# Altium PCB JTAG批量下载板-V1.6-ASCII.PcbDoc (part 6 of 14) (continued)
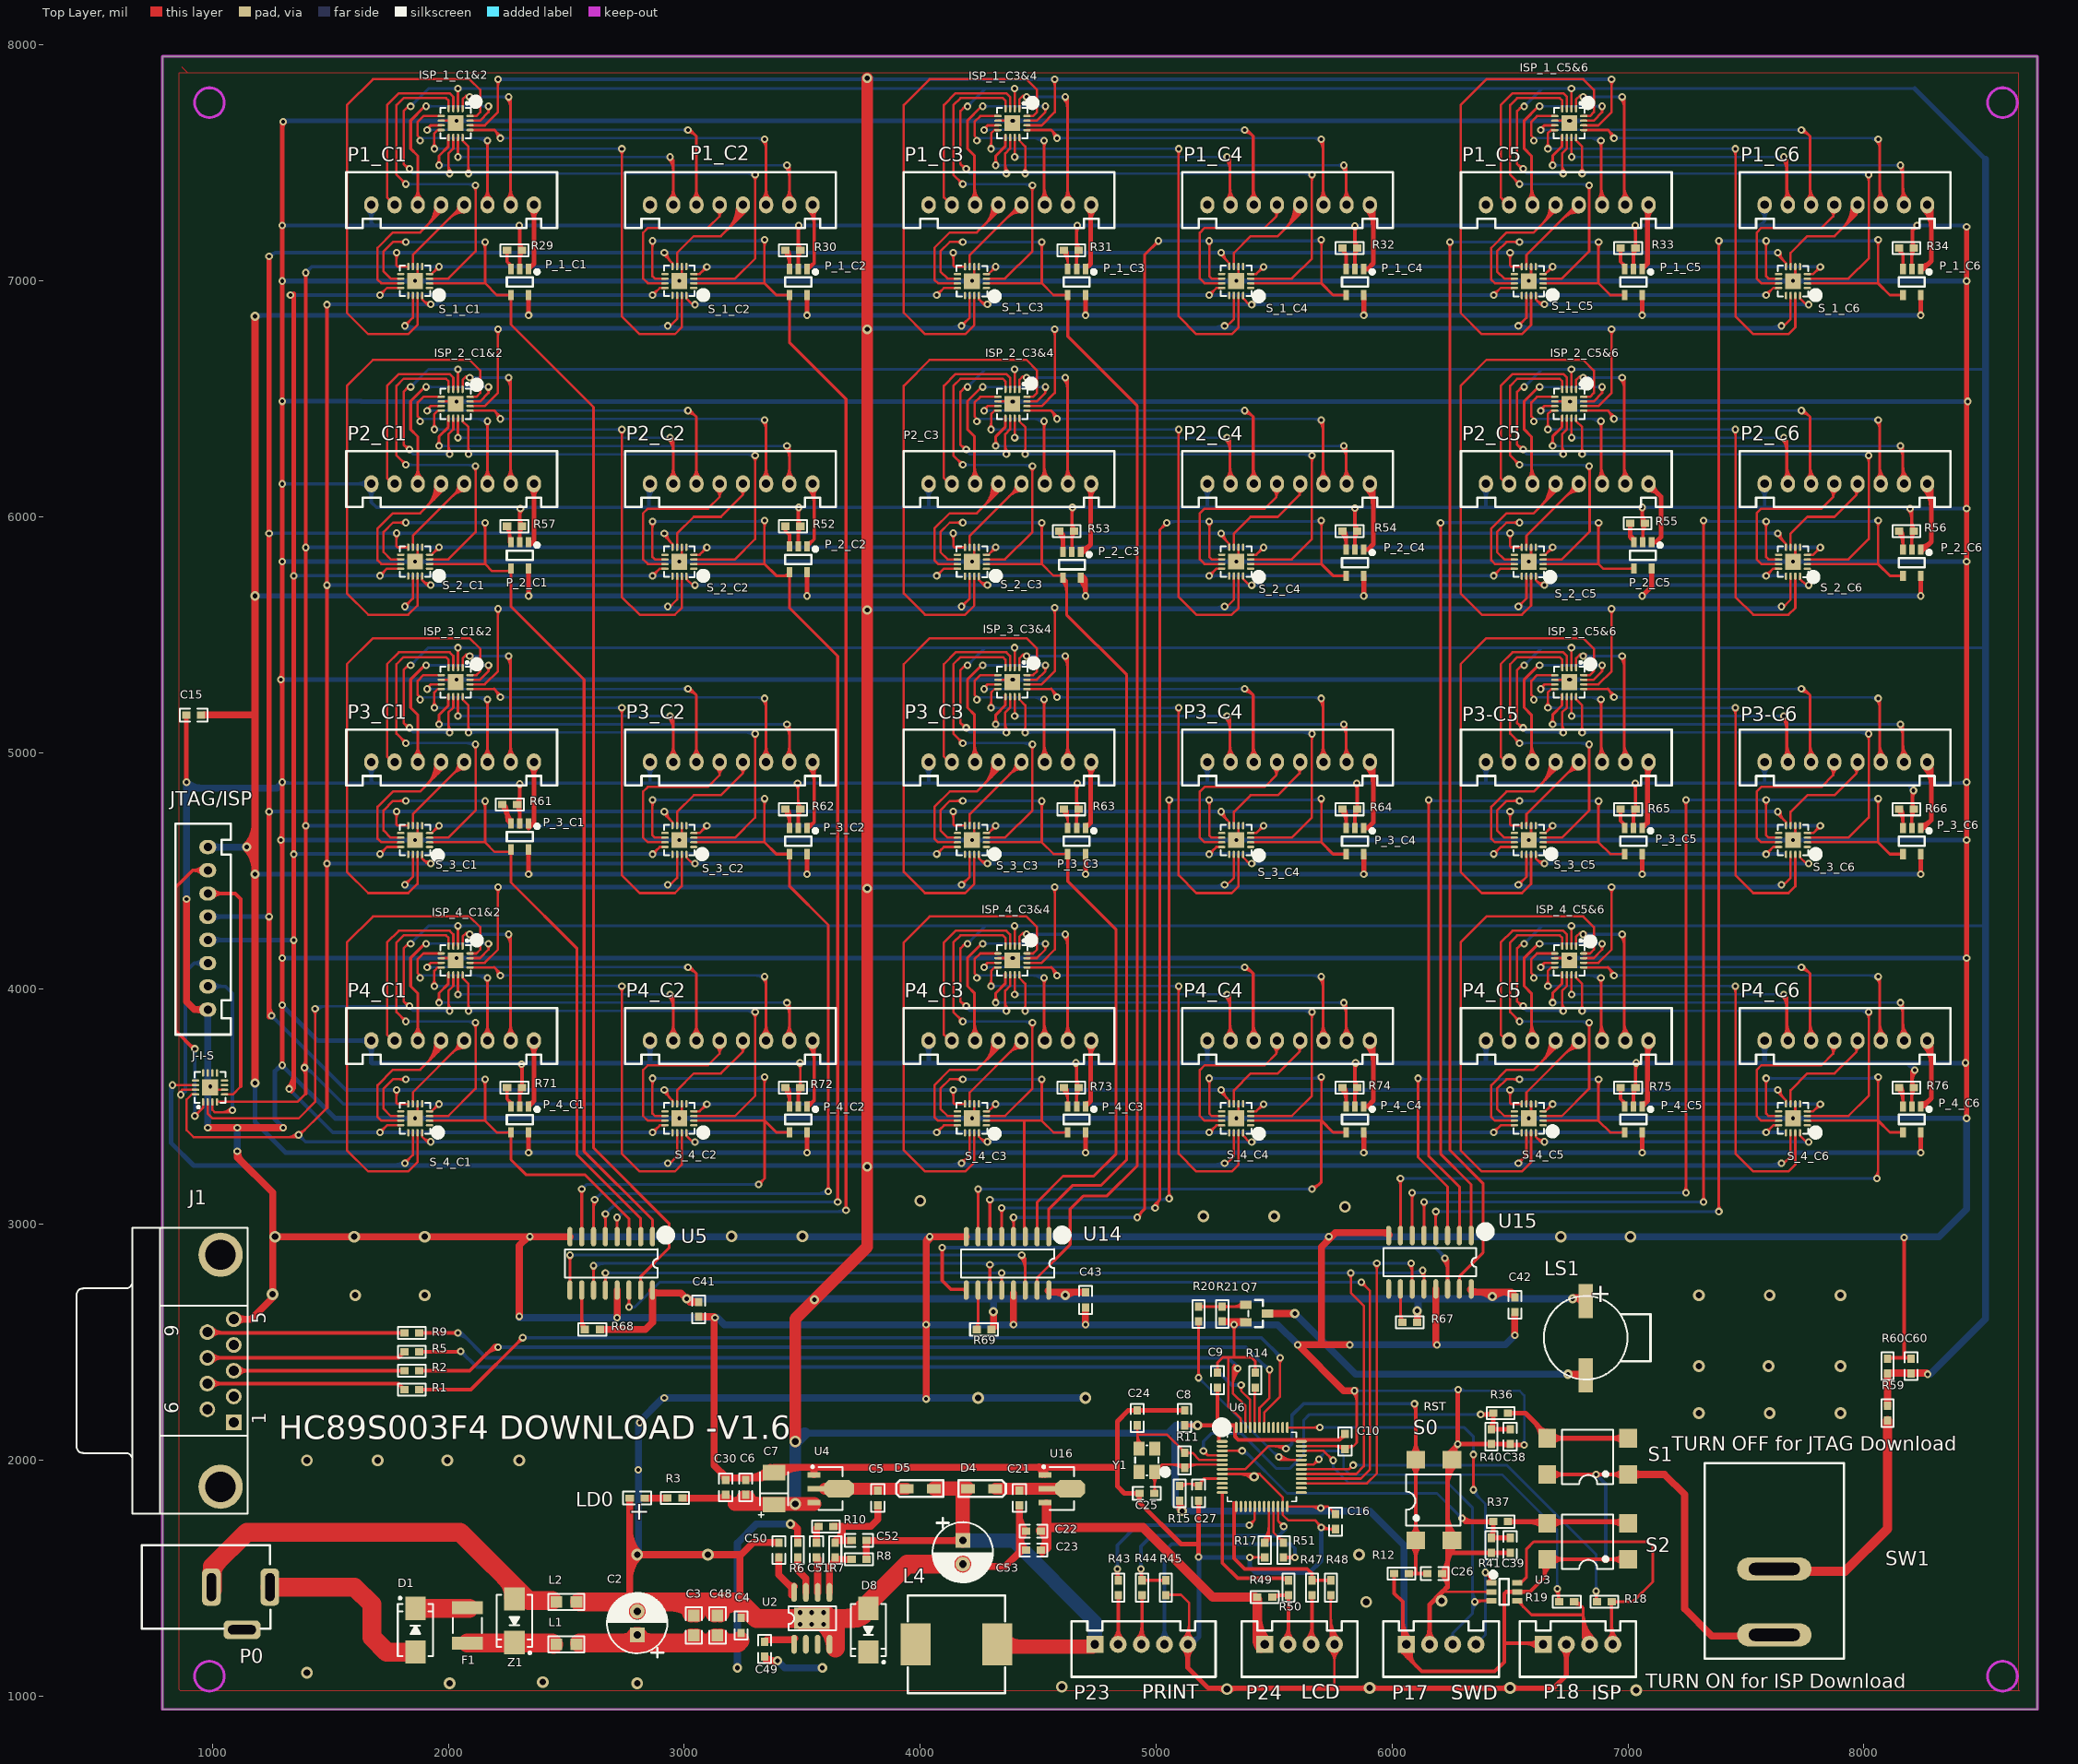
[diagram p0: Top Layer view]
## Nets (pads, with @x,y where several pads share a name; then routed paths per layer and width w, separated by ;. In a path a pad name is that pad's centre, name@x,y a point inside that pad or via, vN(x,y) a via of type N, cw(c..) or ccw(c..) an arc to the next point about the centre after c; other vN are vias at no path point) (continued)
  Bottom Layer w15: v1@1293.74,4871.26 v1@8431.26,4871.26 ; v1(1295,6140) P2_C1.8@1673.23,6140 1673.23,6061.77 1695,6040 v1@8195,6040 ; v1(1295,7235) v1@8430,7235 ; P3_C1.8@1673.23,4960.63 1673.23,4881.77 1683.74,4871.26 ; P1_C1.8@1673.23,7322.83 1673.23,7246.77 1685,7235 ; 2850,6040 P2_C2.8@2850,6135.67 ; 2854.33,4871.93 P3_C2.8@2854.33,4960.63 ; P3_C3.8@4035.43,4960.63 4035.43,4875.83 4040,4871.26 ; 4035.43,6040.43 P2_C3.8@4035.43,6140 ; 5216.54,4872.8 P3_C4.8@5216.54,4960.63 ; 5216.54,6041.54 P2_C4.8@5216.54,6140 ; 6397.64,4873.62 P3-C5.8@6397.64,4960.63 ; 6397.64,6042.36 P2_C5.8@6397.64,6140 ; 7560,7235 7578.74,7253.74 P1_C6.8@7578.74,7322.83 ; 7578.74,4871.26 P3-C6.8@7578.74,4960.63 ; 7578.74,6041.26 P2_C6.8@7578.74,6140 ; 8178.74,4871.26 v1(8210,4840) ; v1(8195,6035) v1(8435,6035) ; 1315.52,6140 cw(c1315.52,6160.52) 1301.01,6146.01 ccw(c1315.52,6160.52) 1315.52,6140 ; 1315.52,6140 ccw(c1315.52,6119.48) 1301.01,6133.99 cw(c1315.52,6119.48) 1315.52,6140 ; 1315.52,7235 cw(c1315.52,7255.52) 1301.01,7241.01 ccw(c1315.52,7255.52) 1315.52,7235 ; 1315.52,7235 ccw(c1315.52,7214.48) 1301.01,7228.99 cw(c1315.52,7214.48) 1315.52,7235 ; 1618.91,6140 cw(c1618.91,6085.68) 1657.32,6124.09 ccw(c1618.91,6085.68) 1618.91,6140 ; 1618.91,6140 ccw(c1618.91,6194.32) 1657.32,6155.91 cw(c1618.91,6194.32) 1618.91,6140 ; 1673.23,4900.31 cw(c1727.55,4900.31) 1689.14,4938.72 ccw(c1727.55,4900.31) 1673.23,4900.31 ; 1673.23,4900.31 ccw(c1618.91,4900.31) 1657.32,4938.72 cw(c1618.91,4900.31) 1673.23,4900.31 ; 1673.23,6079.68 cw(c1727.55,6079.68) 1689.14,6118.09 ccw(c1727.55,6079.68) 1673.23,6079.68 ; 1673.23,6079.68 ccw(c1618.91,6079.68) 1657.32,6118.09 cw(c1618.91,6079.68) 1673.23,6079.68 ; 1673.23,7262.51 cw(c1727.55,7262.51) 1689.14,7300.92 ccw(c1727.55,7262.51) 1673.23,7262.51 ; 1673.23,7262.51 ccw(c1618.91,7262.51) 1657.32,7300.92 cw(c1618.91,7262.51) 1673.23,7262.51 ; 2279.48,7235 cw(c2279.48,7214.48) 2293.99,7228.99 ccw(c2279.48,7214.48) 2279.48,7235 ; 2279.48,7235 ccw(c2279.48,7255.52) 2293.99,7241.01 cw(c2279.48,7255.52) 2279.48,7235 ; 2320.52,7235 cw(c2320.52,7255.52) 2306.01,7241.01 ccw(c2320.52,7255.52) 2320.52,7235 ; 2320.52,7235 ccw(c2320.52,7214.48) 2306.01,7228.99 cw(c2320.52,7214.48) 2320.52,7235 ; 2854.33,4900.31 cw(c2908.65,4900.31) 2870.24,4938.72 ccw(c2908.65,4900.31) 2854.33,4900.31 ; 2854.33,4900.31 ccw(c2800.01,4900.31) 2838.42,4938.72 cw(c2800.01,4900.31) 2854.33,4900.31 ; 3464.48,6040 cw(c3464.48,6019.48) 3478.99,6033.99 ccw(c3464.48,6019.48) 3464.48,6040 ; 3464.48,6040 ccw(c3464.48,6060.52) 3478.99,6046.01 cw(c3464.48,6060.52) 3464.48,6040 ; 3464.48,7235 cw(c3464.48,7214.48) 3478.99,7228.99 ccw(c3464.48,7214.48) 3464.48,7235 ; 3464.48,7235 ccw(c3464.48,7255.52) 3478.99,7241.01 cw(c3464.48,7255.52) 3464.48,7235 ; 3505.52,6040 cw(c3505.52,6060.52) 3491.01,6046.01 ccw(c3505.52,6060.52) 3505.52,6040 ; 3505.52,6040 ccw(c3505.52,6019.48) 3491.01,6033.99 cw(c3505.52,6019.48) 3505.52,6040 ; 3505.52,7235 cw(c3505.52,7255.52) 3491.01,7241.01 ccw(c3505.52,7255.52) 3505.52,7235 ; 3505.52,7235 ccw(c3505.52,7214.48) 3491.01,7228.99 cw(c3505.52,7214.48) 3505.52,7235 ; 4035.43,4900.31 cw(c4089.75,4900.31) 4051.34,4938.72 ccw(c4089.75,4900.31) 4035.43,4900.31 ; 4035.43,4900.31 ccw(c3981.11,4900.31) 4019.52,4938.72 cw(c3981.11,4900.31) 4035.43,4900.31 ; 4035.43,6079.68 cw(c4089.75,6079.68) 4051.34,6118.09 ccw(c4089.75,6079.68) 4035.43,6079.68 ; 4035.43,6079.68 ccw(c3981.11,6079.68) 4019.52,6118.09 cw(c3981.11,6079.68) 4035.43,6079.68 ; 4624.48,6040 cw(c4624.48,6019.48) 4638.99,6033.99 ccw(c4624.48,6019.48) 4624.48,6040 ; 4624.48,6040 ccw(c4624.48,6060.52) 4638.99,6046.01 cw(c4624.48,6060.52) 4624.48,6040 ; 4644.48,7235 cw(c4644.48,7214.48) 4658.99,7228.99 ccw(c4644.48,7214.48) 4644.48,7235 ; 4644.48,7235 ccw(c4644.48,7255.52) 4658.99,7241.01 cw(c4644.48,7255.52) 4644.48,7235 ; 4665.52,6040 cw(c4665.52,6060.52) 4651.01,6046.01 ccw(c4665.52,6060.52) 4665.52,6040 ; 4665.52,6040 ccw(c4665.52,6019.48) 4651.01,6033.99 cw(c4665.52,6019.48) 4665.52,6040 ; 4685.52,7235 cw(c4685.52,7255.52) 4671.01,7241.01 ccw(c4685.52,7255.52) 4685.52,7235 ; 4685.52,7235 ccw(c4685.52,7214.48) 4671.01,7228.99 cw(c4685.52,7214.48) 4685.52,7235 ; 5216.54,4900.31 cw(c5270.86,4900.31) 5232.45,4938.72 ccw(c5270.86,4900.31) 5216.54,4900.31 ; 5216.54,4900.31 ccw(c5162.22,4900.31) 5200.63,4938.72 cw(c5162.22,4900.31) 5216.54,4900.31 ; 5216.54,6079.68 cw(c5270.86,6079.68) 5232.45,6118.09 ccw(c5270.86,6079.68) 5216.54,6079.68 ; 5216.54,6079.68 ccw(c5162.22,6079.68) 5200.63,6118.09 cw(c5162.22,6079.68) 5216.54,6079.68 ; 6397.64,4900.31 cw(c6451.96,4900.31) 6413.55,4938.72 ccw(c6451.96,4900.31) 6397.64,4900.31 ; 6397.64,4900.31 ccw(c6343.32,4900.31) 6381.73,4938.72 cw(c6343.32,4900.31) 6397.64,4900.31 ; 6397.64,6079.68 cw(c6451.96,6079.68) 6413.55,6118.09 ccw(c6451.96,6079.68) 6397.64,6079.68 ; 6397.64,6079.68 ccw(c6343.32,6079.68) 6381.73,6118.09 cw(c6343.32,6079.68) 6397.64,6079.68 ; 7009.48,7235 cw(c7009.48,7214.48) 7023.99,7228.99 ccw(c7009.48,7214.48) 7009.48,7235 ; 7009.48,7235 ccw(c7009.48,7255.52) 7023.99,7241.01 cw(c7009.48,7255.52) 7009.48,7235 ; 7039.48,6040 cw(c7039.48,6019.48) 7053.99,6033.99 ccw(c7039.48,6019.48) 7039.48,6040 ; 7039.48,6040 ccw(c7039.48,6060.52) 7053.99,6046.01 cw(c7039.48,6060.52) 7039.48,6040 ; 7050.52,7235 cw(c7050.52,7255.52) 7036.01,7241.01 ccw(c7050.52,7255.52) 7050.52,7235 ; 7050.52,7235 ccw(c7050.52,7214.48) 7036.01,7228.99 cw(c7050.52,7214.48) 7050.52,7235 ; 7080.52,6040 cw(c7080.52,6060.52) 7066.01,6046.01 ccw(c7080.52,6060.52) 7080.52,6040 ; 7080.52,6040 ccw(c7080.52,6019.48) 7066.01,6033.99 cw(c7080.52,6019.48) 7080.52,6040 ; 7578.74,4900.31 cw(c7633.06,4900.31) 7594.65,4938.72 ccw(c7633.06,4900.31) 7578.74,4900.31 ; 7578.74,4900.31 ccw(c7524.42,4900.31) 7562.83,4938.72 cw(c7524.42,4900.31) 7578.74,4900.31 ; 7578.74,6079.68 cw(c7633.06,6079.68) 7594.65,6118.09 ccw(c7633.06,6079.68) 7578.74,6079.68 ; 7578.74,6079.68 ccw(c7524.42,6079.68) 7562.83,6118.09 cw(c7524.42,6079.68) 7578.74,6079.68 ; 7578.74,7262.51 cw(c7633.06,7262.51) 7594.65,7300.92 ccw(c7633.06,7262.51) 7578.74,7262.51 ; 7578.74,7262.51 ccw(c7524.42,7262.51) 7562.83,7300.92 cw(c7524.42,7262.51) 7578.74,7262.51 ; 8195.49,4854.51 cw(c8180.98,4840) 8201.5,4840 ccw(c8180.98,4840) 8195.49,4854.51 ; 8195.49,4854.51 ccw(c8210,4869.02) 8210,4848.5 cw(c8210,4869.02) 8195.49,4854.51 ; 8204.48,7235 cw(c8204.48,7214.48) 8218.99,7228.99 ccw(c8204.48,7214.48) 8204.48,7235 ; 8204.48,7235 ccw(c8204.48,7255.52) 8218.99,7241.01 cw(c8204.48,7255.52) 8204.48,7235 ; 8215.52,6035 cw(c8215.52,6055.52) 8201.01,6041.01 ccw(c8215.52,6055.52) 8215.52,6035 ; 8215.52,6035 ccw(c8215.52,6014.48) 8201.01,6028.99 cw(c8215.52,6014.48) 8215.52,6035 ; 8245.52,7235 cw(c8245.52,7255.52) 8231.01,7241.01 ccw(c8245.52,7255.52) 8245.52,7235 ; 8245.52,7235 ccw(c8245.52,7214.48) 8231.01,7228.99 cw(c8245.52,7214.48) 8245.52,7235 ; 8414.48,6035 cw(c8414.48,6014.48) 8428.99,6028.99 ccw(c8414.48,6014.48) 8414.48,6035 ; 8414.48,6035 ccw(c8414.48,6055.52) 8428.99,6041.01 cw(c8414.48,6055.52) 8414.48,6035 ; v1@1301.01,4881.01 ccw(c1324.55,4904.55) 1324.55,4871.26 cw(c1324.55,4904.55) v1@1301.01,4881.01 ; 2272.41,6040 cw(c2272.41,6002.41) 2298.99,6028.99 ccw(c2272.41,6002.41) 2272.41,6040 ; 2273.24,4871.26 cw(c2273.24,4838.24) 2296.59,4861.59 ccw(c2273.24,4838.24) 2273.24,4871.26 ; v1@2308.61,4861.59 cw(c2331.96,4838.24) 2331.96,4871.26 ccw(c2331.96,4838.24) v1@2308.61,4861.59 ; v1@2311.01,6028.99 cw(c2337.59,6002.41) 2337.59,6040 ccw(c2337.59,6002.41) v1@2311.01,6028.99 ; P2_C2.8@2838.42,6118.09 cw(c2810.47,6090.14) 2850,6090.14 ccw(c2810.47,6090.14) P2_C2.8@2838.42,6118.09 ; 2850,6069.23 cw(c2919.11,6069.23) 2870.24,6118.09 ccw(c2919.11,6069.23) 2850,6069.23 ; 3456.44,4871.26 cw(c3456.44,4846.44) 3473.99,4863.99 ccw(c3456.44,4846.44) 3456.44,4871.26 ; 3462.52,4871.26 ccw(c3462.52,4887.48) 3473.99,4876.01 cw(c3462.52,4887.48) 3462.52,4871.26 ; v1@3486.01,4863.99 cw(c3503.56,4846.44) 3503.56,4871.26 ccw(c3503.56,4846.44) v1@3486.01,4863.99 ; v1@3486.01,4876.01 ccw(c3497.48,4887.48) 3497.48,4871.26 cw(c3497.48,4887.48) v1@3486.01,4876.01 ; 4641.44,4871.26 cw(c4641.44,4846.44) 4658.99,4863.99 ccw(c4641.44,4846.44) 4641.44,4871.26 ; 4647.52,4871.26 ccw(c4647.52,4887.48) 4658.99,4876.01 cw(c4647.52,4887.48) 4647.52,4871.26 ; v1@4671.01,4863.99 cw(c4688.56,4846.44) 4688.56,4871.26 ccw(c4688.56,4846.44) v1@4671.01,4863.99 ; v1@4671.01,4876.01 ccw(c4682.48,4887.48) 4682.48,4871.26 cw(c4682.48,4887.48) v1@4671.01,4876.01 ; 5815.8,7235 cw(c5815.8,7205.61) 5836.59,7226.39 ccw(c5815.8,7205.61) 5815.8,7235 ; 5816.28,6040 cw(c5816.28,6011.28) 5836.59,6031.59 ccw(c5816.28,6011.28) 5816.28,6040 ; 5826.44,4871.26 cw(c5826.44,4846.44) 5843.99,4863.99 ccw(c5826.44,4846.44) 5826.44,4871.26 ; 5832.52,4871.26 ccw(c5832.52,4887.48) 5843.99,4876.01 cw(c5832.52,4887.48) 5832.52,4871.26 ; v1@5848.61,6031.59 cw(c5868.92,6011.28) 5868.92,6040 ccw(c5868.92,6011.28) v1@5848.61,6031.59 ; v1@5848.61,7226.39 cw(c5869.39,7205.61) 5869.39,7235 ccw(c5869.39,7205.61) v1@5848.61,7226.39 ; v1@5856.01,4863.99 cw(c5873.56,4846.44) 5873.56,4871.26 ccw(c5873.56,4846.44) v1@5856.01,4863.99 ; v1@5856.01,4876.01 ccw(c5867.48,4887.48) 5867.48,4871.26 cw(c5867.48,4887.48) v1@5856.01,4876.01 ; 7006.44,4871.26 cw(c7006.44,4846.44) 7023.99,4863.99 ccw(c7006.44,4846.44) 7006.44,4871.26 ; 7012.52,4871.26 ccw(c7012.52,4887.48) 7023.99,4876.01 cw(c7012.52,4887.48) 7012.52,4871.26 ; v1@7036.01,4863.99 cw(c7053.56,4846.44) 7053.56,4871.26 ccw(c7053.56,4846.44) v1@7036.01,4863.99 ; v1@7036.01,4876.01 ccw(c7047.48,4887.48) 7047.48,4871.26 cw(c7047.48,4887.48) v1@7036.01,4876.01 ; 8162.41,6040 cw(c8162.41,6002.41) 8188.99,6028.99 ccw(c8162.41,6002.41) 8162.41,6040 ; 8402.41,7235 cw(c8402.41,7197.41) 8428.99,7223.99 ccw(c8402.41,7197.41) 8402.41,7235 ; 8405.45,4871.26 ccw(c8405.45,4904.55) 8428.99,4881.01 cw(c8405.45,4904.55) 8405.45,4871.26
  Bottom Layer w20: v1(1290,5310) 6795,5309.37 ; v1@1290.08,4630.08 v1@8434.92,4630.08 ; v1(1295,3930) 1445.47,3779.53 P4_C1.8@1673.23,3779.53 1673.23,3686.77 1676.26,3683.74 v1@8428.74,3683.74 ; v1(1295,4129.37) v1@8434.37,4129.37 ; v1(1295,6490) 1629.37,6490 1630,6489.37 v1(8439.37,6489.37) ; v1@1295.08,5810.08 v1@8434.92,5810.08 ; v1@1295.08,7000.08 v1@8434.92,7000.08 ; v1(1300,3410) 1265,3445 1265,3650 1290,3675 v1(1295,3675) 1519.92,3450.08 v1(8435,3450.08) ; v1@1300,7679.37 6795,7679.37 ; 2854.33,3684.41 P4_C2.8@2854.33,3779.53 ; 4035.43,3688.31 P4_C3.8@4035.43,3779.53 ; P23.5@5140,1210 5181.5,1251.5 ; P4_C4.8@5216.54,3779.53 5216.54,3687.2 5220,3683.74 ; v1(5700,1715) 5700,1575 5650,1525 5420,1525 5396.5,1548.5 v1(5396.5,1588.5) 5181.5,1588.5 5181.5,1251.5 ; 6397.64,3692.64 P4_C5.8@6397.64,3779.53 ; 7578.74,3683.74 P4_C6.8@7578.74,3779.53 ; 8186.26,3683.74 v1(8215,3655) ; 1624.94,3779.53 cw(c1624.94,3731.24) 1659.09,3765.39 ccw(c1624.94,3731.24) 1624.94,3779.53 ; 1624.94,3779.53 ccw(c1624.94,3827.81) 1659.09,3793.67 cw(c1624.94,3827.81) 1624.94,3779.53 ; 1673.23,3725.24 cw(c1721.51,3725.24) 1687.37,3759.39 ccw(c1721.51,3725.24) 1673.23,3725.24 ; 1673.23,3725.24 ccw(c1624.94,3725.24) 1659.09,3759.39 cw(c1624.94,3725.24) 1673.23,3725.24 ; 2854.33,3725.24 cw(c2902.61,3725.24) 2868.47,3759.39 ccw(c2902.61,3725.24) 2854.33,3725.24 ; 2854.33,3725.24 ccw(c2806.05,3725.24) 2840.19,3759.39 cw(c2806.05,3725.24) 2854.33,3725.24 ; 4035.43,3725.24 cw(c4083.72,3725.24) 4049.58,3759.39 ccw(c4083.72,3725.24) 4035.43,3725.24 ; 4035.43,3725.24 ccw(c3987.15,3725.24) 4021.29,3759.39 cw(c3987.15,3725.24) 4035.43,3725.24 ; P23.5@5143.69,1244.01 ccw(c5157,1275.99) 5181.49,1251.49 ; P23.5@5143.69,1244.01 ccw(c5157,1275.99) 5181.49,1251.49 ; P23.5@5143.69,1244.01 ccw(c5157,1275.99) 5181.49,1251.49 ; P23.5@5143.69,1244.01 ccw(c5157,1275.99) 5181.49,1251.49 ; P23.5@5143.69,1244.01 ccw(c5157,1275.99) 5181.49,1251.49 ; P23.5@5159.7,1220 cw(c5183.12,1220) 5166.56,1236.56 ; P23.5@5159.7,1220 cw(c5183.12,1220) 5166.56,1236.56 ; P23.5@5159.7,1220 cw(c5183.12,1220) 5166.56,1236.56 ; P23.5@5159.7,1220 cw(c5183.12,1220) 5166.56,1236.56 ; P23.5@5159.7,1220 cw(c5183.12,1220) 5166.56,1236.56 ; v1@5175.76,1585.76 cw(c5161.9,1571.9) 5181.5,1571.9 ; v1@5175.76,1585.76 cw(c5161.9,1571.9) 5181.5,1571.9 ; v1@5175.76,1585.76 cw(c5161.9,1571.9) 5181.5,1571.9 ; v1@5175.76,1585.76 cw(c5161.9,1571.9) 5181.5,1571.9 ; v1@5175.76,1585.76 cw(c5161.9,1571.9) 5181.5,1571.9 ; v1@5184.24,1594.24 ccw(c5198.1,1608.1) 5198.1,1588.5 ; v1@5184.24,1594.24 ccw(c5198.1,1608.1) 5198.1,1588.5 ; v1@5184.24,1594.24 ccw(c5198.1,1608.1) 5198.1,1588.5 ; v1@5184.24,1594.24 ccw(c5198.1,1608.1) 5198.1,1588.5 ; v1@5184.24,1594.24 ccw(c5198.1,1608.1) 5198.1,1588.5 ; 5216.54,3725.24 cw(c5264.82,3725.24) 5230.68,3759.39 ccw(c5264.82,3725.24) 5216.54,3725.24 ; 5216.54,3725.24 ccw(c5168.25,3725.24) 5202.39,3759.39 cw(c5168.25,3725.24) 5216.54,3725.24 ; 6397.64,3725.24 cw(c6445.92,3725.24) 6411.78,3759.39 ccw(c6445.92,3725.24) 6397.64,3725.24 ; 6397.64,3725.24 ccw(c6349.35,3725.24) 6383.5,3759.39 cw(c6349.35,3725.24) 6397.64,3725.24 ; 7578.74,3725.24 cw(c7627.02,3725.24) 7592.88,3759.39 ccw(c7627.02,3725.24) 7578.74,3725.24 ; 7578.74,3725.24 ccw(c7530.46,3725.24) 7564.6,3759.39 cw(c7530.46,3725.24) 7578.74,3725.24 ; 1276.22,3661.22 cw(c1295,3642.44) 1295,3669 ccw(c1295,3642.44) 1276.22,3661.22 ; v1@1304.24,7670.76 cw(c1325.04,7649.96) 1325.04,7679.37 ccw(c1325.04,7649.96) v1@1304.24,7670.76 ; 2286.49,3683.74 cw(c2286.49,3656.49) 2305.76,3675.76 ccw(c2286.49,3656.49) 2286.49,3683.74 ; v1@2314.24,3675.76 cw(c2333.51,3656.49) 2333.51,3683.74 ccw(c2333.51,3656.49) v1@2314.24,3675.76 ; 3472.47,3683.74 ccw(c3472.47,3702.53) 3485.76,3689.24 cw(c3472.47,3702.53) 3472.47,3683.74 ; v1@3494.24,3689.24 ccw(c3507.53,3702.53) 3507.53,3683.74 cw(c3507.53,3702.53) v1@3494.24,3689.24 ; 4642.47,3683.74 ccw(c4642.47,3702.53) 4655.76,3689.24 cw(c4642.47,3702.53) 4642.47,3683.74 ; v1@4664.24,3689.24 ccw(c4677.53,3702.53) 4677.53,3683.74 cw(c4677.53,3702.53) v1@4664.24,3689.24 ; 5827.47,3683.74 ccw(c5827.47,3702.53) 5840.76,3689.24 cw(c5827.47,3702.53) 5827.47,3683.74 ; v1@5849.24,3689.24 ccw(c5862.53,3702.53) 5862.53,3683.74 cw(c5862.53,3702.53) v1@5849.24,3689.24 ; 7017.47,3683.74 ccw(c7017.47,3702.53) 7030.76,3689.24 cw(c7017.47,3702.53) 7017.47,3683.74 ; v1@7039.24,3689.24 ccw(c7052.53,3702.53) 7052.53,3683.74 cw(c7052.53,3702.53) v1@7039.24,3689.24 ; 8412.47,3683.74 ccw(c8412.47,3702.53) 8425.76,3689.24 cw(c8412.47,3702.53) 8412.47,3683.74 ; 8418.99,4129.37 ccw(c8418.99,4146.01) 8430.76,4134.24 cw(c8418.99,4146.01) 8418.99,4129.37
  Bottom Layer w30: v1(890,4380) v1(890,4875) ; 895,4850 1272.48,4850 v1@1293.74,4871.26 ; v1(980,3410) JTAG/ISP.8@980,3911.02 ; v1(1105,3310) v1(1105,3410) ; v1@2300,2605 3140,2605 3170,2575 5515,2575 v1(5600,2490) ; v1(2345,2948.19) 8318.19,2948.19 8435,3065 v1(8435,3450.08) ; v2@2805,1595 2805,2160 2910,2265 v2(4700,2265) ; v1(5820,2490) 6480,2490 v1(6520,2530) ; 980,3874.81 cw(c1016.21,3874.81) 990.61,3900.42 ccw(c1016.21,3874.81) 980,3874.81 ; 980,3874.81 ccw(c943.79,3874.81) 969.39,3900.42 cw(c943.79,3874.81) 980,3874.81 ; v1@3130,2604 cw(c3130,2577.44) 3148.78,2596.22 ; v1@3130,2604 cw(c3130,2577.44) 3148.78,2596.22 ; v1@3130,2604 cw(c3130,2577.44) 3148.78,2596.22 ; v1@3130,2604 cw(c3130,2577.44) 3148.78,2596.22 ; v1@3130,2604 cw(c3130,2577.44) 3148.78,2596.22 ; v1@890.71,4875.71 ccw(c952.77,4937.77) 952.77,4850 cw(c952.77,4937.77) v1@890.71,4875.71 ; 980,3558.44 cw(c1016.56,3558.44) 990.71,3584.29 ccw(c1016.56,3558.44) 980,3558.44 ; 980,3611.56 ccw(c1016.56,3611.56) 990.71,3585.71 cw(c1016.56,3611.56) 980,3611.56 ; v2@2792.93,1607.07 ccw(c2763.79,1636.21) 2805,1636.21 cw(c2763.79,1636.21) v2@2792.93,1607.07
  other v1: 2805,1960 2810,2160 2915,2265 6280,2300 6190,2490 4025,2575 5330,2575 2715,2605 3130,2605 4040,2948.19 5731.81,2948.19 1858.98,3450.08 2978.98,3450.08 4218.98,3450.08 5338.98,3450.08 6578.98,3450.08 7698.98,3450.08 990,3585 2310,3680 3490,3685 4660,3685 5845,3685 7035,3685 8430,3685 4390,4129.37 6750,4129.37 8435,4130 1290,4630 1858.98,4630.08 2978.98,4630.08 4218.98,4630.08 5338.98,4630.08 6578.98,4630.08 7698.98,4630.08 8435,4630 3480,4870 4665,4870 5850,4870 7030,4870 1295,4875 8435,4875 4390,5309.37 6750,5309.37 1295,5810 1858.98,5810.08 2978.98,5810.08 4218.98,5810.08 5338.98,5810.08 6578.98,5810.08 7698.98,5810.08 8435,5810 2305,6035 3485,6040 4645,6040 4390,6489.37 1295,7000 1858.98,7000.08 2978.98,7000.08 4218.98,7000.08 5338.98,7000.08 6578.98,7000.08 7698.98,7000.08 8435,7000 2300,7235 3485,7235 4665,7235 7030,7235 1300,7675 4390,7679.37 6750,7679.37
  other v2: 5300,1030 5905,1035 6500,1035 2005,1055 2800,1055 2400,1060 1400,1100 5890,1400 6210,1405 3100,1600 5860,1600 1400,2000 1700,2000 1995,2000 2300,2000 7300,2200 7600,2200 7900,2200 4245,2265 7300,2400 7595,2400 7900,2400 1605,2700 1900,2700 7300,2700 7600,2700 7900,2700 1255,2705 1265,2948.19 1600,2948.19 1900,2948.19 6715,2948.19 7010,2948.19 3200,2950 3500,2950 5200,3035 5500,3035 5800,3075 4000,3100
  other v3: 5415,1930
ISP_RXD: P18.4 R18.1 U3.6 | length 2540.9
  Top Layer w12: U3.6@6530.24,1480 6545,1480 6570,1505 6570,1625 6600,1655 7085,1655 7105,1635 7105,1485 7020,1400 R18.1@6931.5,1400 ; P18.4@6930,1225.28 R18.1@6930,1400 ; U3.6@6540.08,1485.81 ccw(c6540.08,1511.72) 6558.4,1493.4 ; U3.6@6540.08,1485.81 ccw(c6540.08,1511.72) 6558.4,1493.4 ; U3.6@6540.08,1485.81 ccw(c6540.08,1511.72) 6558.4,1493.4 ; U3.6@6540.08,1485.81 ccw(c6540.08,1511.72) 6558.4,1493.4 ; U3.6@6540.08,1485.81 ccw(c6540.08,1511.72) 6558.4,1493.4 ; P18.4@6914.06,1241.21 ccw(c6875.59,1279.69) 6930,1279.69 ; P18.4@6914.06,1241.21 ccw(c6875.59,1279.69) 6930,1279.69 ; P18.4@6914.06,1241.21 ccw(c6875.59,1279.69) 6930,1279.69 ; P18.4@6914.06,1241.21 ccw(c6875.59,1279.69) 6930,1279.69 ; P18.4@6914.06,1241.21 ccw(c6875.59,1279.69) 6930,1279.69 ; R18.1@6922.63,1393.11 cw(c6904.85,1375.33) 6930,1375.33 ; R18.1@6922.63,1393.11 cw(c6904.85,1375.33) 6930,1375.33 ; R18.1@6922.63,1393.11 cw(c6904.85,1375.33) 6930,1375.33 ; R18.1@6922.63,1393.11 cw(c6904.85,1375.33) 6930,1375.33 ; R18.1@6922.63,1393.11 cw(c6904.85,1375.33) 6930,1375.33 ; 6930,1276.19 ccw(c6991.47,1276.19) P18.4@6948,1232.73 ; 6930,1276.19 ccw(c6991.47,1276.19) P18.4@6948,1232.73 ; 6930,1276.19 ccw(c6991.47,1276.19) P18.4@6948,1232.73 ; 6930,1276.19 ccw(c6991.47,1276.19) P18.4@6948,1232.73 ; 6930,1276.19 ccw(c6991.47,1276.19) P18.4@6948,1232.73 ; 6930,1305.16 ccw(c7020.44,1305.16) P18.4@6956.49,1241.21 ; 6930,1305.16 ccw(c7020.44,1305.16) P18.4@6956.49,1241.21 ; 6930,1305.16 ccw(c7020.44,1305.16) P18.4@6956.49,1241.21 ; 6930,1305.16 ccw(c7020.44,1305.16) P18.4@6956.49,1241.21 ; 6930,1305.16 ccw(c7020.44,1305.16) P18.4@6956.49,1241.21 ; 6930,1377.61 cw(c6951.92,1377.61) R18.1@6936.42,1393.11 ; 6930,1377.61 cw(c6951.92,1377.61) R18.1@6936.42,1393.11 ; 6930,1377.61 cw(c6951.92,1377.61) R18.1@6936.42,1393.11 ; 6930,1377.61 cw(c6951.92,1377.61) R18.1@6936.42,1393.11 ; 6930,1377.61 cw(c6951.92,1377.61) R18.1@6936.42,1393.11 ; R18.1@6940.36,1393.11 cw(c6957,1376.47) 6957,1400 ; R18.1@6940.36,1393.11 cw(c6957,1376.47) 6957,1400 ; R18.1@6940.36,1393.11 cw(c6957,1376.47) 6957,1400 ; R18.1@6940.36,1393.11 cw(c6957,1376.47) 6957,1400 ; R18.1@6940.36,1393.11 cw(c6957,1376.47) 6957,1400 ; R18.1@6940.36,1406.89 ccw(c6957,1423.53) 6957,1400 ; R18.1@6940.36,1406.89 ccw(c6957,1423.53) 6957,1400 ; R18.1@6940.36,1406.89 ccw(c6957,1423.53) 6957,1400 ; R18.1@6940.36,1406.89 ccw(c6957,1423.53) 6957,1400 ; R18.1@6940.36,1406.89 ccw(c6957,1423.53) 6957,1400
ISP_RXD_1_C1: ISP_1_C1&2.3 P1_C1.7 | length 793
  Top Layer w10: P1_C1.7@1771.65,7322.83 1740,7354.49 1740,7745.55 1790,7795.55 2005,7795.55 2020.63,7779.92 ISP_1_C1&2.3@2020.63,7730.55
ISP_RXD_1_C2: ISP_1_C1&2.11 P1_C2.7 | length 1490.4
  Top Layer w10: v1(2040.32,7525.55) ISP_1_C1&2.11@2040.32,7608.5
  Top Layer w12: v1@2932.93,7518.48 cw(c2885.06,7470.61) 2952.76,7470.61 ; P1_C2.7@2935.79,7345.81 ccw(c2894.81,7386.78) 2952.76,7386.78 ccw(c3010.7,7386.78) P1_C2.7@2969.73,7345.81 ; v1(2940,7525.55) 2952.76,7512.8 P1_C2.7@2952.76,7322.83 ; v1@2941.41,7526.97 cw(c2914.03,7499.58) 2952.76,7499.58
  Bottom Layer w10: v1(2040.32,7525.55) v1(2940,7525.55) ; v1@2932.22,7517.77 ccw(c2913.44,7498.99) 2913.44,7525.55 ccw(c2913.44,7552.11) v1@2932.22,7533.33 ; 2066.87,7525.55 cw(c2066.87,7552.11) 2048.09,7533.33 ccw(c2066.87,7552.11) 2066.87,7525.55 ; 2066.87,7525.55 ccw(c2066.87,7498.99) 2048.09,7517.77 cw(c2066.87,7498.99) 2066.87,7525.55
ISP_RXD_1_C3: ISP_1_C3&4.3 P1_C3.7 | length 793
  Top Layer w10: P1_C3.7@4131.65,7322.83 4100,7354.49 4100,7745.55 4150,7795.55 4365,7795.55 4380.63,7779.92 ISP_1_C3&4.3@4380.63,7730.55
ISP_RXD_1_C4: ISP_1_C3&4.11 P1_C4.7 | length 1519
  Top Layer w10: v1(4400.32,7525.55) ISP_1_C3&4.11@4400.32,7608.45
  Top Layer w12: v1@5292.93,7518.48 cw(c5245.06,7470.61) 5312.76,7470.61 ; P1_C4.7@5297.99,7345.81 ccw(c5262.34,7381.45) 5312.76,7381.45 ; v1(5300,7525.55) 5312.76,7512.8 P1_C4.7@5312.76,7322.83 ; v1@5301.41,7526.97 cw(c5274.03,7499.58) 5312.76,7499.58 ; 5312.76,7363.13 ccw(c5349.25,7363.13) P1_C4.7@5323.45,7337.32 ; 5312.76,7392.1 ccw(c5378.22,7392.1) P1_C4.7@5331.93,7345.81
  Bottom Layer w10: v1(4400.32,7525.55) v1(5300,7525.55) ; v1@5292.22,7517.77 ccw(c5273.44,7498.99) 5273.44,7525.55 ccw(c5273.44,7552.11) v1@5292.22,7533.33 ; 4426.87,7525.55 cw(c4426.87,7552.11) 4408.09,7533.33 ccw(c4426.87,7552.11) 4426.87,7525.55 ; 4426.87,7525.55 ccw(c4426.87,7498.99) 4408.09,7517.77 cw(c4426.87,7498.99) 4426.87,7525.55
ISP_RXD_1_C5: ISP_1_C5&6.3 P1_C5.7 | length 864.8
  Top Layer w10: P1_C5.7@6491.65,7322.83 6460,7354.49 6460,7745.55 6510,7795.55 6725,7795.55 6740.63,7779.92 ISP_1_C5&6.3@6740.63,7730.55 ; 6465.21,7349.28 cw(c6450.27,7334.34) 6471.24,7331.82 ccw(c6450.27,7334.34) 6465.21,7349.28 ; 6465.21,7349.28 ccw(c6473.35,7357.43) 6480.51,7348.41 cw(c6473.35,7357.43) 6465.21,7349.28
ISP_RXD_1_C6: ISP_1_C5&6.11 P1_C6.7 | length 1525
  Top Layer w10: v1(6760.32,7525.55) ISP_1_C5&6.11@6760.32,7608.45
  Top Layer w12: v1@7652.93,7518.48 cw(c7605.06,7470.61) 7672.76,7470.61 ; v1(7660,7525.55) 7672.76,7512.8 P1_C6.7@7672.76,7322.83 ; P1_C6.7@7660.19,7345.81 ccw(c7629.87,7376.13) 7672.76,7376.13 ; v1@7661.41,7526.97 cw(c7634.03,7499.58) 7672.76,7499.58 ; 7672.76,7368.45 ccw(c7716.78,7368.45) P1_C6.7@7685.65,7337.32 ; 7672.76,7397.42 ccw(c7745.75,7397.42) P1_C6.7@7694.14,7345.81
  Bottom Layer w10: v1(6760.32,7525.55) v1(7660,7525.55) ; v1@7652.22,7517.77 ccw(c7633.44,7498.99) 7633.44,7525.55 ccw(c7633.44,7552.11) v1@7652.22,7533.33 ; 6786.87,7525.55 cw(c6786.87,7552.11) 6768.09,7533.33 ccw(c6786.87,7552.11) 6786.87,7525.55 ; 6786.87,7525.55 ccw(c6786.87,7498.99) 6768.09,7517.77 cw(c6786.87,7498.99) 6786.87,7525.55
ISP_RXD_2_C1: ISP_2_C1&2.3 P2_C1.7 | length 793
  Top Layer w10: P2_C1.7@1771.65,6132.83 1740,6164.49 1740,6555.55 1790,6605.55 2005,6605.55 2020.63,6589.92 ISP_2_C1&2.3@2020.63,6540.55
ISP_RXD_2_C2: ISP_2_C1&2.11 P2_C2.7 | length 1490.4
  Top Layer w10: v1(2040.32,6335.55) ISP_2_C1&2.11@2040.32,6418.45
  Top Layer w12: v1@2932.93,6328.48 cw(c2885.06,6280.61) 2952.76,6280.61 ; P2_C2.7@2935.79,6162.97 ccw(c2894.81,6203.94) 2952.76,6203.94 ccw(c3010.7,6203.94) P2_C2.7@2969.73,6162.97 ; v1(2940,6335.55) 2952.76,6322.8 P2_C2.7@2952.76,6132.83 ; v1@2941.41,6336.97 cw(c2914.03,6309.58) 2952.76,6309.58
  Bottom Layer w10: v1(2040.32,6335.55) v1(2940,6335.55) ; v1@2932.22,6327.77 ccw(c2913.44,6308.99) 2913.44,6335.55 ccw(c2913.44,6362.11) v1@2932.22,6343.33 ; 2066.87,6335.55 cw(c2066.87,6362.11) 2048.09,6343.33 ccw(c2066.87,6362.11) 2066.87,6335.55 ; 2066.87,6335.55 ccw(c2066.87,6308.99) 2048.09,6327.77 cw(c2066.87,6308.99) 2066.87,6335.55
ISP_RXD_2_C3: ISP_2_C3&4.3 P2_C3.7 | length 793
  Top Layer w10: P2_C3.7@4131.65,6132.83 4100,6164.49 4100,6555.55 4150,6605.55 4365,6605.55 4380.63,6589.92 ISP_2_C3&4.3@4380.63,6540.55
ISP_RXD_2_C4: ISP_2_C3&4.11 P2_C4.7 | length 1519
  Top Layer w10: v1(4400.32,6335.55) ISP_2_C3&4.11@4400.32,6418.45
  Top Layer w12: v1@5292.93,6328.48 cw(c5245.06,6280.61) 5312.76,6280.61 ; P2_C4.7@5297.99,6162.97 ccw(c5262.34,6198.62) 5312.76,6198.62 ; v1(5300,6335.55) 5312.76,6322.8 P2_C4.7@5312.76,6132.83 ; v1@5301.41,6336.97 cw(c5274.03,6309.58) 5312.76,6309.58 ; 5312.76,6180.29 ccw(c5349.25,6180.29) P2_C4.7@5323.45,6154.49 ; 5312.76,6209.26 ccw(c5378.22,6209.26) P2_C4.7@5331.93,6162.97
  Bottom Layer w10: v1(4400.32,6335.55) v1(5300,6335.55) ; v1@5292.22,6327.77 ccw(c5273.44,6308.99) 5273.44,6335.55 ccw(c5273.44,6362.11) v1@5292.22,6343.33 ; 4426.87,6335.55 cw(c4426.87,6362.11) 4408.09,6343.33 ccw(c4426.87,6362.11) 4426.87,6335.55 ; 4426.87,6335.55 ccw(c4426.87,6308.99) 4408.09,6327.77 cw(c4426.87,6308.99) 4426.87,6335.55
ISP_RXD_2_C5: ISP_2_C5&6.3 P2_C5.7 | length 793
  Top Layer w10: P2_C5.7@6491.65,6132.83 6460,6164.49 6460,6555.55 6510,6605.55 6725,6605.55 6740.63,6589.92 ISP_2_C5&6.3@6740.63,6540.55
ISP_RXD_2_C6: ISP_2_C5&6.11 P2_C6.7 | length 1525
  Top Layer w10: v1(6760.32,6335.55) ISP_2_C5&6.11@6760.32,6418.45
  Top Layer w12: v1@7652.93,6328.48 cw(c7605.06,6280.61) 7672.76,6280.61 ; v1(7660,6335.55) 7672.76,6322.8 P2_C6.7@7672.76,6132.83 ; P2_C6.7@7660.19,6162.97 ccw(c7629.87,6193.3) 7672.76,6193.3 ; v1@7661.41,6336.97 cw(c7634.03,6309.58) 7672.76,6309.58 ; 7672.76,6185.62 ccw(c7716.78,6185.62) P2_C6.7@7685.65,6154.49 ; 7672.76,6214.59 ccw(c7745.75,6214.59) P2_C6.7@7694.14,6162.97
  Bottom Layer w10: v1(6760.32,6335.55) v1(7660,6335.55) ; v1@7652.22,6327.77 ccw(c7633.44,6308.99) 7633.44,6335.55 ccw(c7633.44,6362.11) v1@7652.22,6343.33 ; 6786.87,6335.55 cw(c6786.87,6362.11) 6768.09,6343.33 ccw(c6786.87,6362.11) 6786.87,6335.55 ; 6786.87,6335.55 ccw(c6786.87,6308.99) 6768.09,6327.77 cw(c6786.87,6308.99) 6786.87,6335.55
ISP_RXD_3_C1: ISP_3_C1&2.3 P3_C1.7 | length 793
  Top Layer w10: P3_C1.7@1771.65,4952.83 1740,4984.49 1740,5375.55 1790,5425.55 2005,5425.55 2020.63,5409.92 ISP_3_C1&2.3@2020.63,5360.55
ISP_RXD_3_C2: ISP_3_C1&2.11 P3_C2.7 | length 1490.4
  Top Layer w10: v1(2040.32,5155.55) ISP_3_C1&2.11@2040.32,5238.45
  Top Layer w12: v1@2932.93,5148.48 cw(c2885.06,5100.61) 2952.76,5100.61 ; P3_C2.7@2935.79,4983.6 ccw(c2894.81,5024.57) 2952.76,5024.57 ccw(c3010.7,5024.57) P3_C2.7@2969.73,4983.6 ; v1(2940,5155.55) 2952.76,5142.8 P3_C2.7@2952.76,4952.83 ; v1@2941.41,5156.97 cw(c2914.03,5129.58) 2952.76,5129.58
  Bottom Layer w10: v1(2040.32,5155.55) v1(2940,5155.55) ; v1@2932.22,5147.77 ccw(c2913.44,5128.99) 2913.44,5155.55 ccw(c2913.44,5182.11) v1@2932.22,5163.33 ; 2066.87,5155.55 cw(c2066.87,5182.11) 2048.09,5163.33 ccw(c2066.87,5182.11) 2066.87,5155.55 ; 2066.87,5155.55 ccw(c2066.87,5128.99) 2048.09,5147.77 cw(c2066.87,5128.99) 2066.87,5155.55
ISP_RXD_3_C3: ISP_3_C3&4.3 P3_C3.7 | length 793
  Top Layer w10: P3_C3.7@4131.65,4952.83 4100,4984.49 4100,5375.55 4150,5425.55 4365,5425.55 4380.63,5409.92 ISP_3_C3&4.3@4380.63,5360.55
ISP_RXD_3_C4: ISP_3_C3&4.11 P3_C4.7 | length 1519
  Top Layer w10: v1(4400.32,5155.55) ISP_3_C3&4.11@4400.32,5238.45
  Top Layer w12: v1@5292.93,5148.48 cw(c5245.06,5100.61) 5312.76,5100.61 ; P3_C4.7@5297.99,4983.6 ccw(c5262.34,5019.25) 5312.76,5019.25 ; v1(5300,5155.55) 5312.76,5142.8 P3_C4.7@5312.76,4952.83 ; v1@5301.41,5156.97 cw(c5274.03,5129.58) 5312.76,5129.58 ; 5312.76,5000.92 ccw(c5349.25,5000.92) P3_C4.7@5323.45,4975.12 ; 5312.76,5029.89 ccw(c5378.22,5029.89) P3_C4.7@5331.93,4983.6
  Bottom Layer w10: v1(4400.32,5155.55) v1(5300,5155.55) ; v1@5292.22,5147.77 ccw(c5273.44,5128.99) 5273.44,5155.55 ccw(c5273.44,5182.11) v1@5292.22,5163.33 ; 4426.87,5155.55 cw(c4426.87,5182.11) 4408.09,5163.33 ccw(c4426.87,5182.11) 4426.87,5155.55 ; 4426.87,5155.55 ccw(c4426.87,5128.99) 4408.09,5147.77 cw(c4426.87,5128.99) 4426.87,5155.55
ISP_RXD_3_C5: ISP_3_C5&6.3 P3-C5.7 | length 793
  Top Layer w10: P3-C5.7@6491.65,4952.83 6460,4984.49 6460,5375.55 6510,5425.55 6725,5425.55 6740.63,5409.92 ISP_3_C5&6.3@6740.63,5360.55
ISP_RXD_3_C6: ISP_3_C5&6.11 P3-C6.7 | length 1525
  Top Layer w10: v1(6760.32,5155.55) ISP_3_C5&6.11@6760.32,5238.45
  Top Layer w12: v1@7652.93,5148.48 cw(c7605.06,5100.61) 7672.76,5100.61 ; v1(7660,5155.55) 7672.76,5142.8 P3-C6.7@7672.76,4952.83 ; P3-C6.7@7660.19,4983.6 ccw(c7629.87,5013.93) 7672.76,5013.93 ; v1@7661.41,5156.97 cw(c7634.03,5129.58) 7672.76,5129.58 ; 7672.76,5006.25 ccw(c7716.78,5006.25) P3-C6.7@7685.65,4975.12 ; 7672.76,5035.22 ccw(c7745.75,5035.22) P3-C6.7@7694.14,4983.6
  Bottom Layer w10: v1(6760.32,5155.55) v1(7660,5155.55) ; v1@7652.22,5147.77 ccw(c7633.44,5128.99) 7633.44,5155.55 ccw(c7633.44,5182.11) v1@7652.22,5163.33 ; 6786.87,5155.55 cw(c6786.87,5182.11) 6768.09,5163.33 ccw(c6786.87,5182.11) 6786.87,5155.55 ; 6786.87,5155.55 ccw(c6786.87,5128.99) 6768.09,5147.77 cw(c6786.87,5128.99) 6786.87,5155.55